# Altium PCB BB.PcbDoc (part 5 of 6)
Units mm, origin at the board's own origin, x right, y up, seen from the top; angles counter-clockwise.
Board outline 170.18 x 88.9 mm, 4 copper layers (Component Side, Ground Plane, Power Plane, Solder Side), stack 1.554 mm thick; 420 components, 358 nets, 1634 pads, 962 vias.
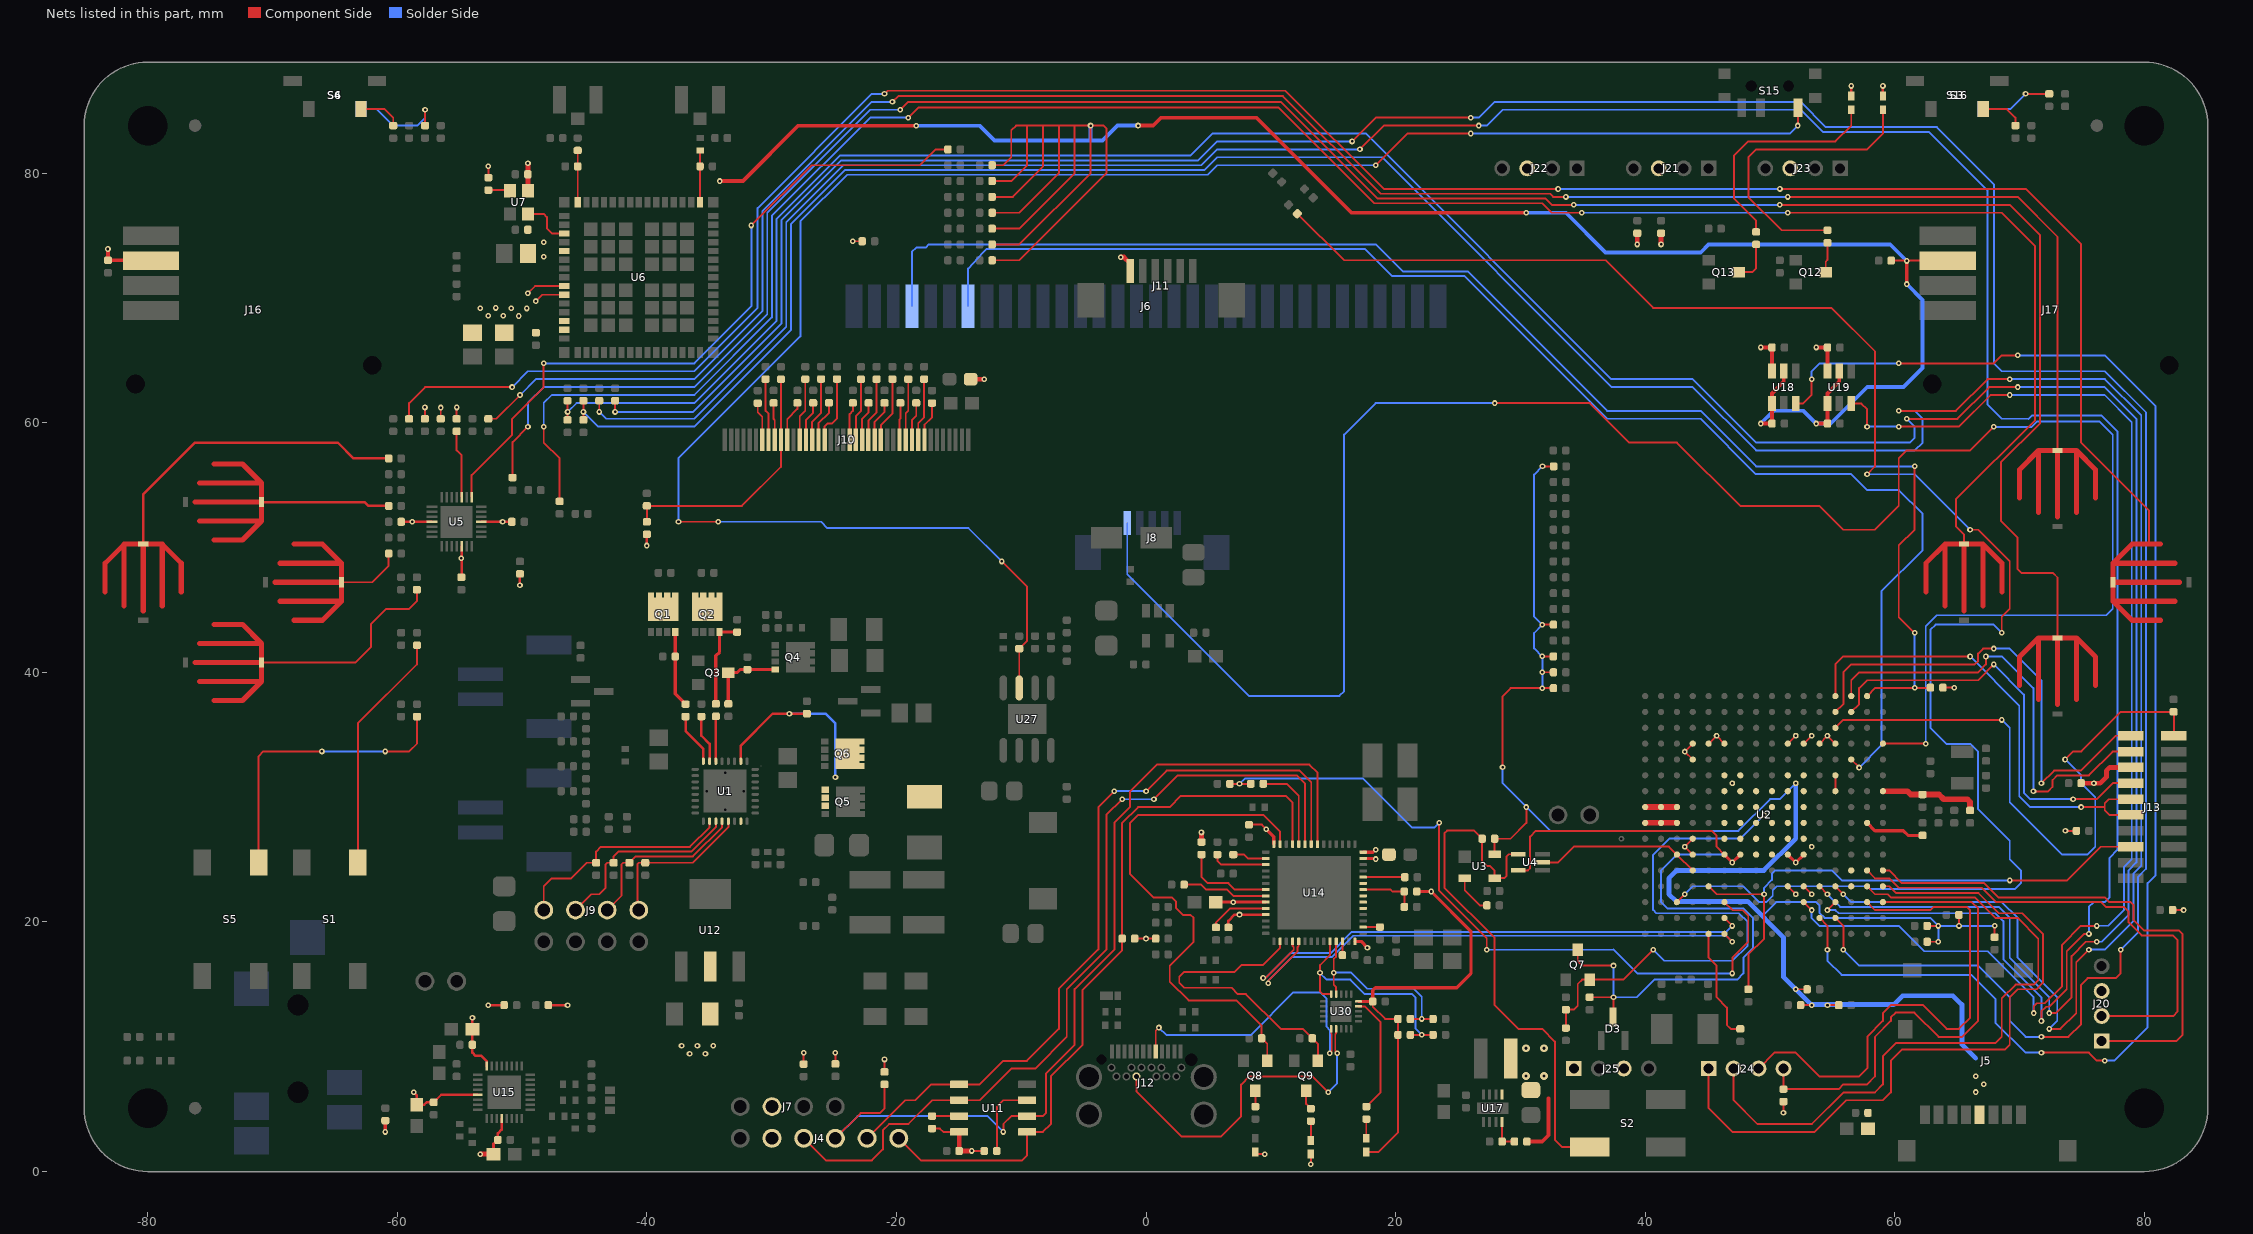
[diagram p7: the nets of this part, all layers, seen from the top]

## Via types
v1: diameter 0.457, hole 0.203, Component Side to Solder Side, tented both sides, 907 vias
v2: diameter 0.5, hole 0.203, Component Side to Solder Side, 32 vias
v3: diameter 0.61, hole 0.254, Component Side to Solder Side, tented both sides, 9 vias
v4: diameter 0.5, hole 0.203, Component Side to Solder Side, tented both sides, 8 vias
v5: diameter 0.457, hole 0.203, Component Side to Solder Side, 6 vias

## Nets (pads, with @x,y where several pads share a name; then routed paths per layer and width w, separated by ;. In a path a pad name is that pad's centre, name@x,y a point inside that pad or via, vN(x,y) a via of type N, cw(c..) or ccw(c..) an arc to the next point about the centre after c; other vN are vias at no path point) (continued)
NetLED3_2: LED3.2 R108.1 | length 24.1
  Component Side w0.152: R108.1@54.61,75.43 50.932,75.43 48.27,78.092 48.27,81.29 48.895,81.915 57.785,81.915 59.055,83.185 LED3.2@59.055,85.09
NetLED4_2: LED4.2 R53.1 | length 1.5
  Component Side w0.152: LED4.2@13.208,2.497 R53.1@13.208,4.037
NetLED7_2: LED7.2 R169.1 | length 18.5
  Component Side w0.152: R169.1@48.895,75.295 48.895,76.2 47.117,77.978 47.117,81.407 48.26,82.55 55.242,82.55 56.515,83.823 LED7.2@56.515,85.09
NetLED14_2: LED14.2 R172.1 | length 1.5
  Component Side w0.152: LED14.2@17.653,2.667 R172.1@17.653,4.207
NetQ1_4: Q1.4 R18.2 R22.1 | length 6.1
  Component Side w0.254: Q1.4@-37.723,43.23 R18.2@-37.723,41.275 -37.723,38.281 R22.1@-36.898,37.456
NetQ1_5: Q1.5 Q1.6 Q1.7 Q1.8 Q1.TAB Q2.5 Q2.6 Q2.7 Q2.8 Q2.TAB
NetQ2_4: Q2.4 R19.2 R23.1 | length 7.3
  Component Side w0.254: R23.1@-34.473,37.48 -34.473,41.33 -34.173,41.63 Q2.4@-34.173,43.23 R19.2@-32.766,43.23
NetQ3_3: Q3.3 Q4.4 R26.2 R30.2 | length 6.4
  Component Side w0.254: R30.2@-33.473,37.48 Q3.3@-33.473,39.98 -32.773,39.98 -32.523,40.23 Q4.4@-29.713,40.23
NetQ8_3: Q8.3 R153.2 | length 1.3
  Component Side w0.152: R153.2@8.763,5.207 Q8.3@8.763,6.477
NetQ9_3: Q9.3 R53.2 | length 1.6
  Component Side w0.152: Q9.3@12.827,6.45 12.827,5.418 R53.2@13.208,5.037
NetQ12_3: Q12.3 R108.2 | length 2.4
  Component Side w0.152: Q12.3@54.47,72.075 54.47,72.922 54.61,73.062 R108.2@54.61,74.43
NetQ13_3: Q13.3 R169.2 | length 3.4
  Component Side w0.152: Q13.3@47.485,72.075 48.58,72.075 48.895,72.39 R169.2@48.895,74.295
NetR22_2: R22.2 U1.32 | length 4.2
  Component Side w0.203: R22.2@-36.898,36.456 -36.898,35.295 -35.473,33.87 U1.32@-35.473,32.88
NetR23_2: R23.2 U1.30 | length 3.6
  Component Side w0.203: U1.30@-34.473,32.88 R23.2@-34.473,36.48
NetR24_2: R24.2 U1.31 | length 3.9
  Component Side w0.203: R24.2@-35.628,36.465 -35.628,34.925 -34.973,34.27 U1.31@-34.973,32.88
NetR42_2: R42.2 U11.3 | length 6.2
  Component Side w0.152: R42.2@-11.954,1.649 -11.954,5.181 -11.42,5.715 U11.3@-9.525,5.715
NetR43_2: R43.2 U11.7 | length 2.2
  Component Side w0.152: R43.2@-17.145,4.445 U11.7@-14.975,4.445
NetR45_2: R45.2 U14.52 | length 4.9
  Component Side w0.152: R45.2@5.604,19.558 5.604,19.955 6.741,21.092 U14.52@9.594,21.092
NetR48_2: R48.2 S2.2 U3.3 U4.4 | length 43.1
  Component Side w0.152: U4.4@29.845,25.43 29.083,25.43 28.904,25.251 28.904,23.688 28.726,23.51 U3.3@27.94,23.51 27.94,24.115 27.559,24.496 27.308,24.496 26.94,24.864 26.94,26.385 26.798,26.528 26.798,26.812 26.295,27.315 24.13,27.315 23.919,27.104 23.919,22.745 27.94,18.724 27.94,13.335 29.848,11.427 31.751,11.427 32.766,10.412 32.766,2.54 33.326,1.98 S2.2@35.56,1.98
NetR51_1: R51.1 U3.2 | length 3.2
  Component Side w0.152: U3.2@25.54,23.51 25.54,22.553 26.757,21.336 R51.1@27.321,21.336
NetR60_2: R60.2 U2.M16 | length 9.1
  Component Side w0.152: U2.M16@45.085,19.05 45.085,17.145 45.72,16.51 45.72,13.97 46.552,13.138 46.552,11.744 46.866,11.43 R60.2@47.625,11.43
NetR64_1: R64.1 U2.B9 | length 4.9
  Component Side w0.254: U2.B9@57.785,27.94 58.41,27.315 60.688,27.315 61.066,26.937 R64.1@62.24,26.937
NetR65_2: R65.2 S6.2 | length 7.8
  Component Side w0.152: R65.2@-57.777,83.82 v1(-57.777,85.09)
  Solder Side w0.152: S6.2@-62.9,85.14 -61.645,85.14 -60.319,83.814 -58.418,83.814 -57.777,84.455 v1(-57.777,85.09)
NetR66_2: R66.2 S16.2 | length 5.8
  Component Side w0.152: v1(70.485,86.36) R66.2@72.381,86.36
  Solder Side w0.152: S16.2@67.1,85.14 69.265,85.14 v1(70.485,86.36)
NetR68_2: R68.2 U5.24 | length 5.4
  Component Side w0.152: R68.2@-55.245,59.325 -55.245,57.785 -54.845,57.385 U5.24@-54.845,54.045
NetR74_2: R74.2 U7.1 | length 1.7
  Component Side w0.152: R74.2@-52.705,78.65 -51.035,78.65 U7.1@-50.98,78.595
NetR109_2: R109.2 S4.1 | length 3.5
  Component Side w0.152: S4.1@-62.9,85.14 -61.01,85.14 -60.325,84.455 R109.2@-60.325,83.82
NetR110_2: R110.2 S3.1 | length 3.5
  Component Side w0.152: S3.1@67.1,85.14 68.99,85.14 69.675,84.455 R110.2@69.675,83.82
NetR111_2: R111.2 S14.1 | length 10.3
  Component Side w0.203: S14.1@-70.887,53.65 -62.61,53.65 -62.3,53.34 R111.2@-60.69,53.34
NetR112_2: R112.2 S10.1 | length 16.4
  Component Side w0.152: S10.1@-70.866,40.8 -63.34,40.8 -62.112,42.028 -62.112,43.84 -60.867,45.085 -59.055,45.085 -58.428,45.712 R112.2@-58.428,46.625
NetR113_2: R113.2 S12.1 | length 25.9
  Component Side w0.203: S12.1@-80.36,50.273 -80.36,54.268 -76.208,58.42 -64.77,58.42 -63.5,57.15 R113.2@-60.69,57.15
NetR114_2: R114.2 S13.1 | length 5.2
  Component Side w0.152: S13.1@-64.389,47.225 -62.014,47.225 -60.69,48.549 R114.2@-60.69,49.53
NetR116_1: R116.1 U14.12 | length 1.1
  Component Side w0.152: R116.1@15.744,17.342 U14.12@15.744,18.442
NetR118_2: R118.2 S11.1 | length 181.7
  Component Side w0.152: R118.2@-59.055,60.317 -59.055,61.587 -57.777,62.865 v1(-50.8,62.865) ; v1(-20.955,86.36) -20.701,86.614 11.178,86.614 19.052,78.74 v1(33.02,78.739) ; v1(50.8,78.74) 70.485,78.74 74.93,74.295 74.93,58.42 80.391,52.959 80.391,50.273
  Solder Side w0.152: v1(-50.8,62.865) -49.53,64.135 -36.195,64.135 -31.12,69.21 -31.12,77.211 -21.971,86.36 v1(-20.955,86.36) ; v1(33.02,78.739) v1(50.8,78.74)
NetR119_2: R119.2 S9.1 | length 183.8
  Component Side w0.152: R119.2@-50.765,55.61 -50.765,58.455 v1(-49.53,59.69) ; v1(-19.685,85.09) -19.05,85.725 10.792,85.725 18.539,77.978 32.004,77.978 32.512,77.47 v1(34.29,77.469) ; v1(50.791,77.47) 69.215,77.47 71.628,75.057 71.628,59.944 68.51,56.826 68.51,52.14 69.85,50.8 69.85,48.273 70.168,47.956 72.695,47.956 73.045,47.605 S9.1@73.045,42.773
  Solder Side w0.152: v1(-49.53,59.69) -49.53,61.595 -48.26,62.865 -36.195,62.865 -30.353,68.707 -30.353,76.835 -22.098,85.09 v1(-19.685,85.09) ; v1(34.29,77.469) v1(50.791,77.47)
NetR120_1: R120.1 U14.16 | length 1.3
  Component Side w0.152: U14.16@17.394,19.592 R120.1@18.744,19.592
NetR121_2: R121.2 S7.1 | length 163
  Component Side w0.152: R121.2@-52.706,60.325 -52.07,60.325 v1(-50.165,62.23) ; v1(-20.32,85.725) -19.855,86.19 10.977,86.19 18.808,78.359 32.378,78.359 32.632,78.105 v1(33.655,78.104) ; v1(51.435,78.105) 53.34,78.105 69.847,78.105 73.045,74.907 S7.1@73.045,57.773
  Solder Side w0.152: v1(-50.165,62.23) -48.895,63.5 -36.195,63.5 -30.739,68.956 -30.739,76.957 -21.971,85.725 v1(-20.32,85.725) ; v1(33.655,78.104) v1(51.435,78.105)
NetR122_2: R122.2 S8.1 | length 173.9
  Component Side w0.152: v1(-48.26,59.69) -48.26,58.42 -46.99,57.15 R122.2@-46.99,53.705 ; v1(-19.05,84.455) -18.245,85.26 10.624,85.26 18.287,77.597 31.741,77.597 32.503,76.835 v1(34.925,76.834) ; v1(51.435,76.834) 68.581,76.834 71.247,74.168 71.247,60.195 64.91,53.858 64.91,51.705 65.545,51.07 S8.1@65.545,50.273
  Solder Side w0.152: v1(-48.26,59.69) -48.26,61.595 -47.625,62.23 -36.195,62.23 -29.977,68.448 -29.977,76.576 -22.098,84.455 v1(-19.05,84.455) ; v1(34.925,76.834) v1(51.435,76.834)
NetR136_2: R136.2 U14.38 | length 7.1
  Component Side w0.152: R136.2@9.397,31.071 11.272,31.071 12.244,30.099 U14.38@12.244,26.242
NetR147_2: R147.2 U14.49 | length 7.4
  Component Side w0.152: R147.2@4.445,25.405 4.445,23.625 4.956,23.114 6.604,23.114 7.126,22.592 U14.49@9.594,22.592
NetR148_2: R148.2 U14.50 | length 6.9
  Component Side w0.152: R148.2@3.048,22.99 4.42,22.99 4.795,22.615 6.468,22.615 6.991,22.092 U14.50@9.594,22.092
NetR149_2: R149.2 U14.45 | length 4.5
  Component Side w0.152: R149.2@5.715,25.405 5.715,24.892 6.015,24.592 U14.45@9.594,24.592
NetR155_1: R155.1 R164.1 U14.22 | length 4.6
  Component Side w0.152: U14.22@17.394,22.592 19.594,22.592 19.744,22.442 R155.1@20.701,22.442 R164.1@20.701,21.209
NetR156_2: R156.2 U14.44 | length 2.7
  Component Side w0.152: R156.2@6.994,25.405 7.858,25.405 8.171,25.092 U14.44@9.594,25.092
NetR165_2: R165.2 R166.1 U17.4 | length 2.6
  Component Side w0.152: U17.4@28.535,3.97 R166.1@28.535,2.403 R165.2@29.522,2.403
NetT1_1: T1.1 U2.F4 | length 0.9
  Component Side w0.152: U2.F4@52.705,34.29 T1.1@53.34,34.925
NetT2_1: T2.1 U2.G4 | length 0.9
  Component Side w0.152: U2.G4@51.435,34.29 T2.1@52.07,34.925
NetT3_1: T3.1 U2.F13 | length 0.9
  Component Side w0.152: U2.F13@52.705,22.86 T3.1@53.34,22.225
NetT4_1: T4.1 U2.G13 | length 0.9
  Component Side w0.152: U2.G13@51.435,22.86 T4.1@52.07,22.225
NetT11_1: T11.1 U2.N10 U2.N11 | length 1.8
  Component Side w0.152: U2.N11@43.815,25.4 T11.1@43.18,26.035 U2.N10@43.815,26.67
NetT13_1: T13.1 U2.N4 U2.N5 | length 1.8
  Component Side w0.152: U2.N5@43.815,33.02 T13.1@43.18,33.655 U2.N4@43.815,34.29
NetT14_1: T14.1 U2.L4 U2.M4 | length 1.8
  Component Side w0.152: U2.M4@45.085,34.29 T14.1@45.72,34.925 U2.L4@46.355,34.29
NetT15_1: T15.1 U2.D4 U2.E4 | length 1.8
  Component Side w0.152: U2.E4@53.975,34.29 T15.1@54.61,34.925 U2.D4@55.245,34.29
NetT17_1: T17.1 U6.43 | length 2.5
  Component Side w0.152: T17.1@-48.895,69.76 -48.39,70.265 U6.43@-46.615,70.265
NetT18_1: T18.1 U6.42 | length 3.2
  Component Side w0.152: T18.1@-49.53,70.395 -48.96,70.965 U6.42@-46.615,70.965
NetU2_D6: U2.D6 U2.D7 | length 1.3
  Component Side w0.152: U2.D7@55.251,30.48 U2.D6@55.251,31.756
NetU2_N12: U2.N12 U2.P11 U4.2 | length 13.3
  Component Side w0.152: U4.2@31.775,24.78 33.026,24.78 34.281,26.035 41.91,26.035 U2.P11@42.545,25.4 U2.N12@43.815,24.13
NetU2_P8: U2.P8 U2.R8 U2.T8 | length 2.5
  Component Side w0.457: U2.T8@40.005,29.21 U2.R8@41.275,29.21 U2.P8@42.545,29.21
NetU2_P9: U2.P9 U2.R9 U2.T9 | length 2.5
  Component Side w0.457: U2.T9@40.005,27.94 U2.R9@41.275,27.94 U2.P9@42.545,27.94
NetU6_36: U6.36 U7.3 | length 4.1
  Component Side w0.152: U7.3@-49.53,76.745 -48.26,76.745 -48.006,76.491 -48.006,75.602 -47.569,75.165 U6.36@-46.615,75.165
PH: C25.1 L1.2 Q5.1 Q5.2 Q5.3 Q6.5 Q6.6 Q6.7 Q6.8 Q6.TAB U1.26 | length 15.9
  Component Side w0.203: U1.26@-32.473,32.88 -32.473,34.13 -29.911,36.692 v1(-28.575,36.692) C25.1@-27.173,36.692
  Solder Side w0.203: v1(-28.575,36.692) -25.685,36.692 -24.887,35.894 v1(-24.887,31.604)
PWR_ON: R135.1 S15.1 U27.7 | length 151.1
  Component Side w0.152: v1(-37.465,52.07) v1(-34.29,52.07) ; v1(-11.557,48.895) -9.525,46.863 -9.525,42.545 R135.1@-10.16,41.91 -10.16,40.64 U27.7@-10.16,38.759 ; v1(18.415,80.645) 20.955,83.185 v1(26.035,83.185) ; v1(52.235,83.82) S15.1@52.235,85.26
  Solder Side w0.152: v1(-37.465,52.07) -37.465,57.15 -27.691,66.924 -27.691,76.137 -23.945,79.883 4.953,79.883 5.715,80.645 v1(18.415,80.645) ; v1(-34.29,52.07) -26.035,52.07 -25.527,51.562 -15.367,51.562 -14.224,51.562 v1(-11.557,48.895) ; v1(26.035,83.185) 43.145,83.185 51.6,83.185 v1(52.235,83.82)
R_DISPLAY_ON: J10.31 R104.2 R105.1 R123.2 | length 20.4
  Component Side w0.152: R104.2@-39.997,52.07 -39.997,53.332 R105.1@-40.005,53.34 -32.385,53.34 -29.25,56.475 J10.31@-29.25,58.65 -29.25,63.46 R123.2@-29.21,63.5
R_LCD_DATA0: J10.8 R93.2 | length 3.2
  Component Side w0.152: J10.8@-17.75,58.65 -17.75,59.855 -17.145,60.46 R93.2@-17.145,61.586
R_LCD_DATA1: J10.9 R94.2 | length 5
  Component Side w0.152: J10.9@-18.25,58.65 -18.25,59.982 -17.78,60.452 R94.2@-17.78,63.5
R_LCD_DATA2: J10.10 R128.2 | length 3.1
  Component Side w0.152: J10.10@-18.75,58.65 -18.75,60.244 -18.415,60.579 R128.2@-18.415,61.595
R_LCD_DATA3: J10.11 R141.2 | length 4.9
  Component Side w0.152: J10.11@-19.25,58.65 -19.25,60.755 -19.05,60.955 R141.2@-19.05,63.5
R_LCD_DATA4: J10.12 R142.2 | length 3
  Component Side w0.152: J10.12@-19.75,58.65 -19.75,60.268 -19.685,60.333 R142.2@-19.685,61.595
R_LCD_DATA5: J10.15 R143.2 | length 5.2
  Component Side w0.152: J10.15@-21.25,58.65 -21.25,59.817 -20.326,60.741 R143.2@-20.326,63.5
R_LCD_DATA6: J10.16 R144.2 | length 3.3
  Component Side w0.152: J10.16@-21.75,58.65 -21.75,60.079 -20.955,60.874 R144.2@-20.955,61.595
R_LCD_DATA7: J10.17 R145.2 | length 5.1
  Component Side w0.152: J10.17@-22.25,58.65 -22.25,60.173 -21.59,60.833 R145.2@-21.59,63.5
R_LCD_DATA8: J10.18 R146.2 | length 3.2
  Component Side w0.152: J10.18@-22.75,58.65 -22.75,60.308 -22.225,60.833 R146.2@-22.225,61.595
R_LCD_DATA9: J10.19 R151.2 | length 5
  Component Side w0.152: J10.19@-23.25,58.65 -23.25,60.54 -22.838,60.952 R151.2@-22.838,63.5
R_LCD_DATA10: J10.20 R152.2 | length 3.1
  Component Side w0.152: J10.20@-23.75,58.65 -23.75,60.705 -23.495,60.96 R152.2@-23.495,61.595
R_LCD_DATA11: J10.24 R163.2 | length 5.5
  Component Side w0.152: J10.24@-25.75,58.65 -25.75,59.724 -25.522,59.952 -25.146,59.952 -24.765,60.333 R163.2@-24.765,63.509
R_LCD_DATA12: J10.25 R173.2 | length 3.3
  Component Side w0.152: J10.25@-26.25,58.65 -26.25,59.958 -25.4,60.808 R173.2@-25.4,61.604
R_LCD_DATA13: J10.26 R174.2 | length 5.2
  Component Side w0.152: J10.26@-26.75,58.65 -26.75,60.081 -26.035,60.796 R174.2@-26.035,63.509
R_LCD_DATA14: J10.27 R175.2 | length 3.2
  Component Side w0.152: J10.27@-27.25,58.65 -27.25,60.213 -26.67,60.793 R175.2@-26.67,61.604
R_LCD_DATA15: J10.28 R176.2 | length 5
  Component Side w0.152: J10.28@-27.75,58.65 -27.75,60.515 -27.305,60.96 R176.2@-27.305,63.509
R_LCD_ENABLE: J10.34 R177.2 | length 3.1
  Component Side w0.152: R177.2@-31.115,61.586 -31.115,60.833 -30.75,60.468 J10.34@-30.75,58.65
R_LCD_HSYNC: J10.32 R179.2 | length 3
  Component Side w0.152: R179.2@-29.845,61.595 -29.845,60.317 -29.75,60.222 J10.32@-29.75,58.65
R_LCD_PCLK: J10.30 R180.2 | length 3.3
  Component Side w0.152: J10.30@-28.75,58.65 -28.75,60.302 -27.94,61.112 R180.2@-27.94,61.595
R_LCD_VSYNC: J10.33 R178.2 | length 4.9
  Component Side w0.152: R178.2@-30.48,63.5 -30.48,60.959 -30.25,60.729 J10.33@-30.25,58.65
RF_ANT1: C43.2 L2.2 U6.32 | length 4.1
  Component Side w0.152: U6.32@-45.54,77.69 L2.2@-45.54,80.555 C43.2@-45.54,81.825
RF_ANT2: C44.2 L5.2 U6.18 | length 4.1
  Component Side w0.152: U6.18@-35.74,77.69 L5.2@-35.74,80.555 C44.2@-35.74,81.825
S_SBU_N: R158.2 R162.1 U14.11 U30.14 | length 15.8
  Component Side w0.152: U30.14@15.229,14.227 15.229,14.777 15.044,14.962 v1(15.044,15.942) 15.044,17.042 15.229,17.227 15.229,18.426 U14.11@15.244,18.442 ; R158.2@21.193,12.227 v1(22.098,12.227) R162.1@23.003,12.227
  Solder Side w0.152: v1(15.044,15.942) 16.443,15.942 17.738,14.647 21.467,14.647 22.098,14.016 v1(22.098,12.227)
S_SBU_P: R157.2 R161.1 U14.10 U30.15 | length 18.8
  Component Side w0.152: U14.10@14.744,18.442 14.744,17.342 13.944,16.542 v1(13.944,15.942) 13.944,14.442 14.159,14.227 U30.15@14.829,14.227 ; R157.2@21.193,10.957 v1(22.098,10.957) R161.1@23.003,10.957
  Solder Side w0.152: v1(13.944,15.942) 13.944,15.904 14.473,15.375 16.383,15.375 17.534,14.224 21.336,14.224 21.59,13.97 21.59,11.465 v1(22.098,10.957)
SBU_N: J12.B8 U30.2 | length 27.5
  Component Side w0.127: U30.2@15.229,11.427 15.229,11.064 15.169,11.003 15.169,9.639 v1(15.321,9.487)
  Component Side w0.152: J12.B8@-0.772,7.622 -0.772,6.437 2.871,2.794 5.988,2.794 7.62,4.426 7.62,6.969 8.271,7.62 13.339,7.62 v1(14.605,6.354)
  Solder Side w0.152: v1(14.605,6.354) 15.321,7.07 v1@15.321,9.489
SBU_P: J12.A8 U30.1 | length 23.8
  Component Side w0.127: v1(14.737,9.487) 14.889,9.639 14.889,11.003 14.829,11.064 U30.1@14.829,11.427
  Component Side w0.152: J12.A8@0.778,9.632 0.778,11.275 v1(1.04,11.537)
  Solder Side w0.152: v1(1.04,11.537) 1.643,10.934 8.402,10.934 11.819,14.351 13.965,14.351 14.478,13.838 14.478,11.6 14.737,11.341 v1@14.737,9.489
SELECT: R117.2 S5.1 | length 23.8
  Component Side w0.152: S5.1@-71.12,24.765 -71.12,33.274 -70.73,33.664 v1(-66.04,33.664) ; v1(-60.96,33.664) -59.046,33.664 -58.42,34.29 R117.2@-58.42,36.456
  Solder Side w0.152: v1(-66.04,33.664) v1(-60.96,33.664)
SPI0_CS0: J24.4 R140.2 U2.A14 | length 40
  Component Side w0.152: J24.4@51.085,8.255 R140.2@51.085,6.604 55.499,6.604 55.88,6.985 57.783,6.985 58.42,7.622 58.42,10.8 59.69,12.07 59.69,12.361 60.071,12.742 61.57,12.742 63.517,10.795 65.405,10.795 66.675,12.065 66.675,21.082 66.167,21.59 U2.A14@59.055,21.59
SPI0_MISO: J24.2 U2.B13 | length 54.4
  Component Side w0.152: J24.2@47.085,8.255 47.085,5.715 48.99,3.81 53.356,3.81 55.896,6.35 58.42,6.35 59.055,6.985 59.055,9.255 60.087,10.287 68.067,10.287 68.58,10.8 68.58,13.885 69.681,14.986 71.139,14.986 71.501,15.348 71.501,18.664 69.842,20.323 68.069,20.323 66.421,21.971 59.69,21.971 59.436,22.225 58.42,22.225 U2.B13@57.785,22.86
SPI0_MOSI: J24.3 U2.B14 | length 41
  Component Side w0.152: J24.3@49.085,8.255 50.355,9.525 52.057,9.525 53.96,7.622 57.152,7.622 57.81,8.28 57.81,10.82 59.055,12.065 59.055,12.7 59.705,13.35 62.24,13.35 64.16,11.43 65.151,11.43 66.04,12.319 66.04,20.955 65.786,21.209 63.119,21.209 62.865,20.955 58.42,20.955 U2.B14@57.785,21.59
SPI0_SCLK: J24.1 U2.A13 | length 57.8
  Component Side w0.152: J24.1@45.085,8.255 45.085,5.08 46.99,3.175 53.594,3.175 56.134,5.715 59.055,5.715 59.69,6.35 59.69,8.89 60.579,9.779 68.834,9.779 69.215,10.16 69.215,13.97 69.85,14.605 71.374,14.605 71.882,15.113 71.882,19.038 70.219,20.701 68.326,20.701 66.714,22.313 60.11,22.313 59.563,22.86 U2.A13@59.055,22.86
SPI1_CS0: J6.29 R171.2 U2.B1 | length 116.5
  Component Side w0.152: U2.B1@57.785,38.1 58.444,38.759 v1(61.595,38.759) R171.2@62.865,38.759 ; v1@61.584,43.18 60.325,44.439 60.325,50.176 61.595,51.446 v1(61.595,56.515)
  Solder Side w0.152: J6.29@-18.753,69.342 -18.753,73.702 -18.414,74.041 -17.653,74.041 -17.399,74.295 18.415,74.295 20.574,72.136 25.781,72.136 36.957,60.96 44.45,60.96 45.085,60.325 48.895,56.515 v1(61.595,56.515) ; v1(61.595,38.759) v1(61.595,43.18)
SPI1_MISO: U2.F14 U19.3 | length 101.5
  Component Side w0.152: U2.F14@52.705,21.59 v1(53.34,20.955) ; U19.3@56.51,61.535 57.337,61.535 57.785,61.087 v1(57.785,59.69) ; v1(60.325,59.69) 65.151,59.69 67.691,62.23 v1(69.215,62.23) ; v1(71.139,12.7) 71.139,13.238 71.388,13.487 72.034,13.487 73.406,14.859 73.406,18.164 74.927,19.685 v1(76.2,19.685)
  Solder Side w0.152: v1(53.34,20.955) 53.34,20.316 53.968,19.688 60.322,19.688 62.357,17.653 67.439,17.653 71.129,13.962 v1@71.129,12.691 ; v1(57.785,59.69) v1(60.325,59.69) ; v1(69.215,62.23) 76.826,62.23 78.994,60.062 78.994,25.019 78.359,24.384 78.359,20.955 77.099,19.696 v1@76.2,19.696
SPI1_MOSI: U2.E15 U18.3 | length 118.2
  Component Side w0.152: U18.3@52.062,61.535 52.636,61.535 53.34,62.239 v1(53.34,63.5) ; U2.E15@53.975,20.32 54.61,19.685 v1(54.61,17.78) ; v1(60.325,64.77) 67.946,64.77 68.581,65.405 v1(69.85,65.405) ; v1(71.755,9.528) 75.562,9.528 76.2,8.89 v1(76.835,8.89)
  Solder Side w0.152: v1(53.34,63.5) 53.34,64.135 53.975,64.77 v1(60.325,64.77) ; v1(54.61,17.78) 54.61,16.891 55.741,15.76 66.148,15.76 68.072,13.835 68.072,11.938 70.482,9.528 v1(71.755,9.528) ; v1(69.85,65.405) 76.826,65.405 80.899,61.332 80.899,23.749 80.264,23.114 80.264,11.557 77.597,8.89 v1(76.835,8.89)
SPI1_SCLK: J6.26 U2.C5 | length 112.3
  Component Side w0.152: U2.C5@56.506,33.02 v1@57.141,32.385
  Solder Side w0.152: J6.26@-14.252,69.342 -14.252,72.359 -13.054,73.66 -12.8,73.914 2.921,73.914 17.566,73.914 18.454,73.025 19.724,71.755 25.527,71.755 36.957,60.325 44.444,60.325 48.881,55.889 56.507,55.889 57.785,54.61 60.341,54.61 62.23,52.721 62.23,49.793 58.928,46.491 58.928,34.163 v1(57.141,32.377)
SPI_CLK: J4.3 U11.6 U14.37 | length 68.3
  Component Side w0.152: J4.3@-27.432,2.667 -25.654,0.889 -21.971,0.889 -21.082,1.778 -21.082,3.322 -20.594,3.81 -19.045,3.81 -17.14,5.715 U11.6@-14.975,5.715 -13.335,5.715 -10.795,8.255 -8.89,8.255 -6.35,10.795 -6.35,14.605 -3.169,17.786 -3.169,28.575 v1(-1.907,29.837) ; v1(0.635,29.837) 2.548,31.75 12.065,31.75 12.744,31.071 U14.37@12.744,26.242
  Solder Side w0.152: v1(-1.907,29.837) v1(0.635,29.837)
SPI_CS_N: J4.6 R139.2 U11.1 U14.39 | length 59.8
  Component Side w0.152: J4.6@-19.812,2.667 -18.034,0.889 -9.926,0.889 -9.525,1.29 U11.1@-9.525,3.175 -8.255,3.175 -7.622,3.808 -7.622,7.618 -5.08,10.16 -5.08,14.559 -1.91,17.729 R139.2@-1.91,18.669 -1.91,27.935 -0.635,29.21 1.913,29.21 2.802,30.099 11.201,30.099 11.744,29.556 U14.39@11.744,26.242
SPI_MISO: J4.4 R138.2 U11.2 U14.35 | length 76.5
  Component Side w0.152: J4.4@-24.892,2.667 -22.878,4.681 -21.333,4.681 -20.955,5.059 R138.2@-20.955,6.985 ; v1(-11.43,3.175) -11.43,3.81 -10.795,4.445 U11.2@-9.525,4.445 -8.255,4.445 -8.001,4.699 -8.001,7.866 -5.715,10.152 -5.715,14.615 -2.54,17.79 -2.54,27.965 -1.272,29.234 -1.272,30.462 0.877,32.611 13.1,32.611 13.744,31.967 13.744,28.442 U14.35@13.744,26.242
  Solder Side w0.152: J4.4@-24.892,2.667 -23.114,4.445 -12.7,4.445 v1(-11.43,3.175)
SPI_MOSI: J4.5 U11.5 U14.36 | length 61.7
  Component Side w0.152: J4.5@-22.352,2.667 -19.308,5.711 -18.483,5.711 -17.209,6.985 U11.5@-14.975,6.985 -13.335,6.985 -11.45,8.87 -9.545,8.87 -6.985,11.43 -6.985,14.635 -3.812,17.808 -3.812,29.21 v1(-2.542,30.48) ; v1(0.003,30.48) 1.654,32.131 12.319,32.131 13.244,31.206 U14.36@13.244,26.242
  Solder Side w0.152: v1(-2.542,30.48) v1(0.003,30.48)
SS_AM: Q8.1 R160.1 U14.41 | length 42.5
  Component Side w0.152: Q8.1@9.713,8.877 9.713,10.229 R160.1@9.263,10.679 9.263,11.695 7.242,13.716 3.41,13.716 1.905,15.221 1.905,16.51 3.81,18.415 3.81,20.32 3.556,20.574 2.955,20.574 2.413,21.116 2.413,21.632 2.074,21.971 0.579,21.971 -1.272,23.822 -1.272,27.938 -0.635,28.575 9.398,28.575 10.744,27.229 U14.41@10.744,26.242
SS_EN: U14.19
SS_POL: Q9.1 R159.1 U14.2 | length 24.5
  Component Side w0.152: U14.2@10.744,18.442 10.744,17.942 9.346,16.544 7.646,16.544 7.107,16.005 3.048,16.005 2.667,15.624 2.667,15.113 3.048,14.732 6.858,14.732 7.363,14.227 8.001,14.227 10.801,11.427 12.579,11.427 R159.1@13.327,10.679 13.777,10.229 Q9.1@13.777,8.877
START: R115.2 S1.1 | length 19.4
  Component Side w0.152: S1.1@-63.155,24.765 -63.155,35.913 -58.42,40.648 R115.2@-58.42,42.18
SYS_ADC_1P8V: C5.2 R62.2 U2.A7 | length 8
  Component Side w0.457: U2.A7@59.055,30.48 61.017,30.48 61.287,30.21 R62.2@62.23,30.21 63.549,30.21 63.929,29.83 65.821,29.83 66.04,29.611 C5.2@66.04,28.937
SYS_RESET_N: C86.2 J13.15 U2.M13 | length 45.1
  Component Side w0.152: U2.M13@45.085,22.86 45.72,22.225 49.53,22.225 49.53,18.669 48.27,17.409 C86.2@48.27,14.605 ; v1(69.215,23.329) 73.809,23.329 76.506,26.026 J13.15@78.92,26.026
  Solder Side w0.152: v1(49.53,22.227) 49.53,22.738 50.165,23.373 50.165,23.87 50.425,24.13 54.953,24.13 55.754,23.329 v1(69.215,23.329)
SYS_RTC_1P8V: D3.3 Q7.3 R17.1 T9.1 U2.K11 U2.L11 U4.5 | length 65.4
  Component Side w0.152: U4.5@29.845,24.13 30.607,24.13 30.789,24.312 30.789,26.848 31.246,27.305 45.339,27.305 45.72,26.924 45.72,26.035 U2.L11@46.355,25.4 ; Q7.3@34.601,17.775 34.601,16.866 34.957,16.51 v1(37.465,16.51) ; R17.1@35.551,13.97 v1(37.465,13.97) 37.465,12.382 D3.3@37.435,12.352
  Component Side w0.254: U2.L11@46.355,25.4 T9.1@46.99,24.765 U2.K11@47.625,25.4
  Solder Side w0.152: v1@37.435,13.97 v1(37.465,13.97) ; v1(37.465,16.51) v1(37.465,13.97) ; T9.1@46.99,24.765 46.341,25.414 42.559,25.414 41.275,24.13 41.275,21.59 41.783,21.082 47.879,21.082 48.641,20.32 48.641,17.907 47.879,17.145 47.879,15.875 47.379,15.375 40.729,15.375 39.324,13.97 v1(37.465,13.97)
SYS_VDD1_3P3V: C45.2 C46.2 J5.4 R1.1 R2.1 R3.1 R4.1 R5.1 R48.1 R97.1 R98.1 R99.1 R100.1 R101.1 R102.1 R103.1 T7.1 U2.F6 U2.F7 U2.G6 U2.G7 U3.4 | length 145.4
  Component Side w0.152: U3.4@27.94,25.41 R48.1@27.94,26.67 29.21,26.67 30.481,27.941 v1(30.481,29.211) ; v1(28.575,32.394) 28.575,38.091 29.219,38.735 v1(31.761,38.735) R5.1@32.655,38.735 ; v1(31.75,41.284) R3.1@32.644,41.284 ; v1(31.761,40.009) R4.1@32.655,40.009 ; v1(31.761,43.823) R2.1@32.655,43.823 ; v1(31.773,56.515) R1.1@32.667,56.515 ; v1(52.073,14.605) R100.1@52.975,14.605 ; R99.1@52.438,13.337 v1(53.34,13.337) ; v1(54.613,13.337) R101.1@55.515,13.337 ; R97.1@62.595,18.415 v1(63.497,18.415) ; R102.1@62.595,19.685 v1(63.497,19.685) ; v1(65.151,19.684) R98.1@65.151,20.574 ; R103.1@68.01,18.78 v1(68.01,19.688)
  Solder Side w0.152: v1(28.575,32.394) 28.575,31.117 32.387,27.305 47.471,27.305 50.011,29.845 50.8,29.845 T7.1@52.07,31.115 ; v1(31.761,38.735) v1(31.761,40.009) 31.761,41.261 31.095,41.927 31.095,43.157 v1(31.761,43.823) 31.107,44.477 31.107,55.849 v1(31.773,56.515) ; 49.378,20.472 50.501,21.595 53.695,21.595 53.967,21.324 53.967,20.742 54.383,20.325 62.857,20.325 v1(63.497,19.685) ; v1(63.497,18.415) v1(63.497,19.685) ; v1(68.01,19.688) 63.5,19.688 v1(63.497,19.685)
  Solder Side w0.381: T7.1@52.07,31.115 52.07,26.678 49.521,24.13 42.545,24.13 41.91,23.495 41.91,22.225 42.488,21.647 48.203,21.647 51.085,18.765 51.085,15.593 v1(52.073,14.605) 53.299,13.379 59.906,13.379 60.624,14.097 64.666,14.097 65.384,13.379 65.384,10.189 66.494,9.079
  other v1: 66.494,6.367 67.129,6.985 66.494,7.625
SYS_VDD2_3P3V: T8.1 U2.F11 U2.G11 | length 1.8
  Component Side w0.254: U2.G11@51.435,25.4 T8.1@52.07,24.765 U2.F11@52.705,25.4
SYS_VDD3_3P3V: Q7.2 R46.2 R47.2 T10.1 U2.F8 U2.F9 U2.G8 U2.H7 U2.H8 U2.H9 U2.J7 U2.J8 U2.J9 U2.K8 U2.K9 U2.L8 U2.L9 | length 44.4
  Component Side w0.152: R47.2@33.646,11.502 R46.2@33.646,12.97 34.293,12.97 34.601,13.278 34.601,15.029 34.947,15.375 Q7.2@35.551,15.375 38.235,15.375 v1(40.64,17.78)
  Solder Side w0.152: v1(40.64,17.78) 41.529,16.891 46.99,16.891 48.203,18.104 48.203,20.001 47.503,20.701 40.894,20.701 40.635,20.96 40.635,25.38 41.933,26.678 47.633,26.678 T10.1@49.53,28.575
SYS_VDD_1P8V: T16.1 U2.F10 U2.G9 U2.G10 U2.H10 U2.H11 U2.J10 U2.J11 U2.K10 U2.L10
SYS_VOUT: T6.1 U2.K6 U2.K7 U2.L6 U2.L7
SYSPRES: U1.15
TCK: J13.9 J13.11 U2.D1 | length 38.3
  Component Side w0.152: U2.D1@55.245,38.1 55.245,40.649 55.871,41.275 v1(66.037,41.275) ; v1(74.93,29.21) 76.835,29.21 ; J13.11@78.74,28.566 77.225,28.566 76.835,28.956 76.835,29.21 ; J13.9@78.74,29.836 77.168,29.836 76.835,29.503 76.835,29.21
  Solder Side w0.152: v1(66.037,41.275) 69.977,37.335 69.977,30.092 70.859,29.21 v1(74.93,29.21)
TDI: J13.3 U2.C1 | length 35.8
  Component Side w0.152: U2.C1@56.515,38.1 56.515,39.37 57.15,40.005 66.675,40.005 67.31,40.64 v1(67.31,41.275) ; v1(71.12,30.471) 72.295,30.471 72.644,30.82 72.644,31.369 73.025,31.75 75.565,31.75 77.461,33.646 J13.3@78.92,33.646
  Solder Side w0.152: v1(67.31,41.275) 68.58,41.275 71.12,38.735 v1(71.12,30.471)
TDO: J13.7 U2.C2 | length 34.2
  Component Side w0.152: U2.C2@56.515,36.83 57.15,37.465 57.15,38.735 57.785,39.37 66.675,39.37 v1(67.945,40.64) ; v1(74.295,29.845) 76.183,29.845 76.191,29.836 77.479,31.124 78.723,31.124 J13.7@78.74,31.106
  Solder Side w0.152: v1(67.945,40.64) 70.358,38.227 70.358,30.353 70.875,29.836 70.883,29.845 v1(74.295,29.845)
TMS: J13.1 U2.D2 | length 38.5
  Component Side w0.152: U2.D2@55.245,36.83 55.88,37.465 55.88,40.008 56.512,40.64 66.405,40.64 66.675,40.91 66.675,41.505 67.08,41.91 v1(67.945,41.91) ; v1(71.755,31.115) 72.771,32.131 74.922,32.131 77.716,34.925 J13.1@78.92,34.925
  Solder Side w0.152: v1(67.945,41.91) 69.215,41.91 71.755,39.37 v1(71.755,31.115)
TOUCH_INT_N: R127.1 U5.22 | length 56.4
  Component Side w0.152: U5.22@-54.045,54.045 -54.045,55.81 -50.8,59.055 -50.8,60.325 -48.267,62.858 v1(-48.267,64.77) ; v1(-31.623,75.819) -26.797,80.645 -18.115,80.645 -16.848,81.912 R127.1@-15.875,81.912
  Solder Side w0.152: v1(-48.267,64.77) -36.195,64.77 -31.623,69.342 v1(-31.623,75.819)
TOUCH_PAD_INT: J8.5 U2.A4 | length 161.7
  Component Side w0.152: v1(27.94,61.586) 35.569,61.586 38.739,58.416 42.551,58.416 47.627,53.34 53.966,53.34 55.871,51.435 58.41,51.435 60.325,53.35 60.325,57.15 60.96,57.785 66.05,57.785 v1(67.945,59.68) ; U2.A4@59.055,34.29 v1@62.484,34.29
  Solder Side w0.152: J8.5@-1.5,51.975 -1.5,47.857 8.247,38.11 15.504,38.11 15.875,38.481 15.875,59.055 18.406,61.586 v1(27.94,61.586) ; v1(62.484,34.281) 62.484,43.684 63.377,44.577 76.962,44.577 77.47,45.085 77.47,59.055 76.403,60.122 71.425,60.122 70.983,59.68 v1(67.945,59.68)
TOUCH_RESET_N: R126.1 U2.P14 | length 141.5
  Component Side w0.152: R126.1@12.132,76.763 15.87,73.025 36.83,73.025 40.64,69.215 54.931,69.215 58.42,65.726 58.42,56.515 v1(57.785,55.88) ; U2.P14@42.545,21.59 v1(43.18,22.225) ; v1(66.04,51.435) 66.675,51.435 69.215,48.895 69.215,45.112 68.58,44.477 v1(68.58,43.18)
  Solder Side w0.152: v1(43.18,22.225) 43.815,22.86 47.879,22.86 49.144,21.595 49.711,21.595 50.23,22.114 50.23,22.544 50.546,22.86 57.786,22.86 57.996,22.65 69.64,22.65 70.104,23.114 70.104,24.13 69.215,25.019 69.215,26.495 66.675,29.035 66.675,33.646 66.046,34.276 64.141,34.276 62.865,35.551 62.865,43.43 63.269,43.834 67.926,43.834 v1(68.58,43.18) ; v1(57.785,55.88) 61.595,55.88 v1(66.04,51.435)
TRSTN: J13.2 R183.1 U2.D3 | length 49.5
  Component Side w0.152: U2.D3@55.236,35.56 55.866,36.189 v1(68.58,36.189) ; v1(73.651,33.02) 74.295,33.664 74.956,33.664 78.131,36.839 R183.1@82.349,36.839 ; J13.2@82.37,34.925 R183.1@82.37,36.818
  Solder Side w0.152: v1(68.58,36.189) 69.215,35.554 69.215,29.591 73.406,25.4 75.438,25.4 76.073,26.035 76.073,29.981 74.931,31.124 74.931,31.741 v1(73.651,33.02)
TS1: J9.1 R38.1 U1.10 | length 18.2
  Component Side w0.152: J9.1@-48.26,20.955 -48.26,22.86 -47.625,23.495 -46.077,23.495 -44.826,24.746 R38.1@-44.064,24.746 -44.064,25.635 -43.683,26.016 -36.546,26.016 -34.973,27.589 U1.10@-34.973,28.08
TS2: J9.2 R39.1 U1.11 | length 15.9
  Component Side w0.152: J9.2@-45.72,20.955 -44.45,22.225 -43.815,22.225 -43.302,22.738 -43.302,24.619 -43.175,24.746 R39.1@-42.667,24.746 -42.667,25.254 -42.286,25.635 -36.427,25.635 -34.473,27.589 U1.11@-34.473,28.08
TS3: J9.3 R40.1 U1.12 | length 13.9
  Component Side w0.152: J9.3@-43.18,20.955 -42.032,22.103 -42.032,24.619 -41.905,24.746 R40.1@-41.397,24.746 -40.889,25.254 -36.308,25.254 -33.973,27.589 U1.12@-33.973,28.08
TS4: J9.4 R41.1 U1.13 | length 12.1
  Component Side w0.152: J9.4@-40.762,21.571 -40.762,24.619 -40.635,24.746 R41.1@-40.127,24.746 -36.316,24.746 -34.807,26.255 -33.473,27.589 U1.13@-33.473,28.08
UART0_CTSN: U2.C12
UART0_RTSN: U2.C13
UART0_RX: J20.1 U2.A12 | length 41.6
  Component Side w0.152: U2.A12@59.055,24.13 59.563,24.13 60.579,23.114 67.173,23.114 68.316,21.971 76.829,21.971 77.208,21.592 78.902,21.592 79.122,21.372 79.122,20.191 80.009,19.304 82.804,19.304 83.058,19.05 83.058,10.922 82.598,10.462 J20.1@76.581,10.462
UART0_TX: J20.2 U2.B12 | length 39.7
  Component Side w0.152: U2.B12@57.785,24.13 58.42,23.495 59.572,23.495 60.325,22.742 66.97,22.742 68.12,21.592 76.542,21.592 76.925,21.209 78.369,21.209 78.74,20.838 78.74,19.971 79.788,18.923 82.296,18.923 82.677,18.542 82.677,12.827 82.312,12.462 J20.2@76.581,12.462
UART3_CTSN: R72.1 R77.2 U2.E13 | length 233
  Component Side w0.152: R77.2@-46.355,60.235 v1(-46.355,60.87) R72.1@-46.355,61.775 ; U2.E13@53.975,22.86 v1(54.61,22.225) ; v1(60.96,60.317) 65.016,60.317 67.564,62.865 v1(69.85,62.865) ; v1(72.381,12.7) 72.914,12.7 74.168,13.954 74.168,17.272 75.311,18.415 v1(76.2,18.415)
  Solder Side w0.152: v1(-46.355,60.87) -45.638,61.586 -36.204,61.586 -29.596,68.194 -29.596,76.352 -24.541,81.407 3.556,81.407 5.341,83.192 17.603,83.192 37.294,63.5 43.815,63.5 48.899,58.416 61.214,58.416 61.597,58.799 61.597,59.68 v1(60.96,60.317) ; v1(54.61,22.225) 55.626,21.209 68.326,21.209 69.215,20.32 69.215,17.145 72.381,13.979 v1(72.381,12.7) ; v1(69.85,62.865) 76.835,62.865 79.375,60.325 79.375,24.774 78.74,24.139 78.74,20.577 76.578,18.415 v1(76.2,18.415)
UART3_RTSN: R73.1 R78.2 U2.D13 | length 238.6
  Component Side w0.152: R78.2@-45.085,60.235 v1(-45.085,60.87) R73.1@-45.085,61.775 ; U2.D13@55.245,22.86 v1(55.88,22.225) ; v1(60.325,60.96) 64.897,60.96 67.437,63.5 v1(69.215,63.5) ; v1(72.381,11.43) 73.279,11.43 74.549,12.7 74.549,16.764 v1(75.565,17.78)
  Solder Side w0.152: v1(-45.085,60.87) -43.905,59.69 -36.195,59.69 -28.453,67.432 -28.453,75.924 -24.113,80.264 4.699,80.264 5.715,81.28 18.923,81.28 37.338,62.865 43.811,62.865 48.891,57.785 61.597,57.785 62.23,58.418 62.23,60.325 61.595,60.96 v1(60.325,60.96) ; v1(55.88,22.225) 56.513,21.592 68.58,21.592 ; 68.58,21.59 69.85,20.32 69.85,17.145 73.025,13.97 73.025,12.074 v1(72.381,11.43) ; v1(69.215,63.5) 76.844,63.5 79.756,60.588 79.756,24.51 79.121,23.875 79.121,20.066 76.835,17.78 v1(75.565,17.78)
UART3_RXD: R71.1 U2.D14 | length 234.2
  Component Side w0.152: v1(-43.815,60.87) R71.1@-43.815,61.775 ; v1(17.145,81.912) 19.053,83.82 v1(26.67,83.82) ; v1(54.61,20.955) U2.D14@55.245,21.59 ; v1(71.755,12.065) 71.755,12.827 72.136,13.208 72.394,13.208 73.787,14.601 73.787,17.653 75.172,19.038 v1(75.562,19.038)
  Solder Side w0.152: v1(-43.815,60.87) -43.27,60.325 -36.195,60.325 -28.829,67.691 -28.829,76.085 -24.269,80.645 4.445,80.645 5.712,81.912 v1(17.145,81.912) ; v1(26.67,83.82) 27.305,83.82 28.575,85.09 52.451,85.09 54.229,83.312 62.735,83.312 67.437,78.61 67.437,61.468 68.58,60.325 70.723,60.325 70.731,60.317 70.993,60.579 76.582,60.579 77.851,59.31 77.851,25.781 77.216,25.146 77.216,21.971 76.84,21.595 75.951,21.595 75.562,21.206 v1(75.562,19.038) ; v1(54.61,20.955) 55.245,20.955 55.499,20.701 68.072,20.701 68.707,20.066 68.707,17.018 71.755,13.97 v1(71.755,12.065)
UART3_TXD: R70.1 U2.D15 | length 236.2
  Component Side w0.152: v1(-42.545,60.87) R70.1@-42.545,61.775 ; v1(16.51,82.55) 18.415,84.455 v1(26.035,84.455) ; U2.D15@55.245,20.32 55.88,19.685 v1(55.88,17.78) ; v1(71.755,10.795) 73.914,10.795 74.93,11.811 74.93,14.966 75.458,15.494 77.724,15.494 78.109,15.879 v1(78.109,17.78)
  Solder Side w0.152: v1(-42.545,60.87) -36.29,60.87 -29.215,67.945 -29.215,76.229 -24.418,81.026 4.191,81.026 5.715,82.55 v1(16.51,82.55) ; v1(26.035,84.455) 26.67,84.455 27.94,85.725 52.451,85.725 54.483,83.693 63.373,83.693 67.945,79.121 67.945,64.77 68.58,64.135 76.844,64.135 80.137,60.842 80.137,24.257 79.502,23.622 79.502,19.173 v1(78.109,17.78) ; v1(55.88,17.78) 57.15,16.51 66.675,16.51 69.215,13.97 69.215,12.065 70.485,10.795 v1(71.755,10.795)
USB_2P0_N: U2.L16 U14.5 | length 44.3
  Component Side w0.152: v5(9.793,15.098) 9.793,15.295 12.146,17.649 12.146,17.981 12.244,18.079 U14.5@12.244,18.442 ; U2.L16@46.355,19.05 v1(46.99,18.415)
  Solder Side w0.152: v5(9.793,15.098) 9.793,15.295 11.706,17.208 14.922,17.208 16.612,18.898 46.507,18.898 v1(46.99,18.415)
USB_2P0_P: U2.L15 U14.4 | length 44.3
  Component Side w0.152: v5(9.38,15.511) 9.577,15.511 11.842,17.775 11.842,17.981 11.744,18.079 U14.4@11.744,18.442 ; U2.L15@46.355,20.32 v1(46.99,19.685)
  Solder Side w0.152: v5(9.38,15.511) 9.577,15.511 11.49,17.424 11.58,17.513 14.796,17.513 16.338,19.055 16.485,19.202 46.507,19.202 v1(46.99,19.685)
USB_3V3: C96.2 C101.2 C125.2 J4.2 J7.2 LED14.1 R42.1 R43.1 R54.2 R58.1 R59.1 R138.1 R139.1 R147.1 R150.1 R155.2 R157.1 R158.1 U11.8 U14.42 U14.51 U30.10 | length 52.7
  Component Side w0.152: R58.1@-27.432,8.612 v1(-27.432,9.517) ; R59.1@-24.892,8.625 v1(-24.892,9.53) ; R138.1@-20.955,7.985 v1(-20.955,8.985) ; R43.1@-17.13,3.437 -16.51,3.437 -16.248,3.175 U11.8@-14.975,3.175 U11.8@-14.973,3.175 ; C96.2@-14.975,1.651 C96.2@-14.973,1.649 ; v1(-13.959,1.649) R42.1@-12.954,1.649 ; R139.1@-0.91,18.669 v1(0,18.669) R54.2@0.778,18.669 ; R150.1@8.255,27.797 9.289,27.797 v1(9.644,27.442) ; LED14.1@17.653,1.567 18.637,1.567 20.193,3.123 R157.1@20.193,10.957 R158.1@20.193,12.227 19.158,12.227 18.169,13.216 C125.2@18.169,13.627
  Component Side w0.203: U30.10@17.029,13.627 C125.2@18.169,13.627
  Component Side w0.254: C101.2@5.588,21.592 v1(6.994,21.592) U14.51@9.594,21.592 ; v1(9.644,27.442) 10.244,26.842 U14.42@10.244,26.242 ; C125.2@18.169,13.627 18.169,14.52 18.381,14.732 24.902,14.732 26.035,15.865 26.035,19.267 v1(22.86,22.442) R155.2@21.701,22.442
  Component Side w0.381: C96.2@-14.973,1.649 v1(-13.959,1.649) ; C96.2@-14.973,1.653 U11.8@-14.973,3.175 ; R147.1@4.445,26.405 v1(4.445,27.178)
USB_FLT_N: R172.2 U30.9 | length 9.5
  Component Side w0.152: U30.9@17.029,13.227 17.526,13.227 18.804,11.949 18.804,6.352 R172.2@17.659,5.207
USB_OTG_ID: R136.1 R137.2 U2.L14 | length 59.4
  Component Side w0.152: R137.2@6.722,31.071 v1(7.492,31.071) R136.1@8.397,31.071 ; v1(23.495,27.94) 23.495,22.521 27.305,18.711 v1(27.305,17.775) ; U2.L14@46.355,21.59 47.003,20.942 47.829,20.942 48.26,20.511 48.26,18.415 46.99,17.145 v1(46.99,15.875)
  Solder Side w0.152: v1(7.492,31.071) 7.917,31.496 17.399,31.496 21.336,27.559 23.114,27.559 v1(23.495,27.94) ; v1(27.305,17.775) 37.46,17.775 37.465,17.78 39.37,15.875 v1(46.99,15.875)
USB_RST_IN: R154.1 U14.24 | length 3.3
  Component Side w0.152: U14.24@17.394,23.592 R154.1@20.744,23.592
USB_RST_OUT_N: U14.21
USB_V5P0: C90.2 U14.14 U14.27 U14.28 | length 2.8
  Component Side w0.254: U14.14@16.744,18.442 17.244,18.442 v1(17.744,17.942) ; U14.27@17.394,25.092 v1@18.194,25.092 ; U14.28@17.394,25.592 18.194,25.592
  other v1: 18.415,25.042 18.415,25.781
USBC_DBG0: U14.23
USBC_DBG1: U14.20
V1P8: C14.2 C29.2 C42.2 C57.2 C71.2 C72.2 C85.2 C87.2 C113.2 C115.2 J16.2 J17.2 R74.1 R79.1 R80.1 R81.1 R82.1 R83.1 R84.1 R85.1 U6.38 U7.4 U12.2 U15.21 U18.1 U18.5 U19.1 U19.5 | length 237.9
  Component Side w0.152: J16.2@-79.775,73.025 J16.2@-79.75,73 ; R74.1@-52.705,79.65 v1(-52.705,80.555) ; R83.1@-12.335,73.025 -10.162,73.025 -3.175,80.012 -3.175,83.596 -3.399,83.82 v1(-4.445,83.82) ; R84.1@-12.335,74.296 -10.16,74.295 -4.445,80.01 v1(-4.445,83.82) ; R82.1@-12.335,75.565 -10.16,75.565 -5.715,80.01 -5.715,83.82 ; R81.1@-12.335,76.835 -10.16,76.835 -6.985,80.01 -6.985,83.82 ; R80.1@-12.335,78.105 -10.668,78.105 -8.255,80.518 -8.255,83.82 ; R79.1@-12.335,79.375 -10.795,79.375 -9.525,80.645 -9.525,83.82 ; R85.1@-12.335,80.645 -11.43,80.645 -10.795,81.28 -10.795,83.439 -10.414,83.82 -9.525,83.82 ; C87.2@59.715,73 J17.2@64.25,73 ; -9.525,83.82 -8.255,83.82 ; -8.255,83.82 -6.985,83.82 ; -6.985,83.82 -5.715,83.82 ; -5.715,83.82 v1(-4.445,83.82)
  Component Side w0.203: v1(-58.674,6.35) -58.424,6.1 C71.2@-58.424,5.352 -57.853,5.352 -57.656,5.548 C72.2@-57.082,5.548 -56.477,6.154 U15.21@-53.54,6.154
  Component Side w0.305: v1(-83.185,73.93) C85.2@-83.185,73.025 J16.2@-79.775,73.025 ; v1(-34.163,79.375) -32.305,79.375 -27.866,83.814 v1(-18.413,83.814) ; v1(-0.635,83.82) 0.585,83.82 1.22,84.455 8.84,84.455 16.46,76.835 v1(30.48,76.835) ; v1(49.26,59.944) C115.2@50.162,59.944 ; C115.2@50.165,59.944 C115.2@50.162,59.944 ; U18.5@51.112,64.135 51.112,63.307 50.162,62.357 U18.1@50.162,61.535 C115.2@50.162,59.944 ; v1(53.705,59.944) C113.2@54.61,59.944 U19.1@54.61,61.535 54.61,62.357 55.56,63.307 U19.5@55.56,64.135 ; v1(60.96,71.12) v1(60.96,72.975)
  Component Side w0.381: U7.4@-49.53,78.595 C42.2@-49.53,79.92 v1(-49.53,80.809)
  Solder Side w0.305: v1(-18.413,83.814) -13.331,83.814 -12.136,82.619 -4.445,82.619 ; v1(-4.445,83.82) -4.445,82.619 ; v1(-0.635,83.82) -2.28,83.82 -3.481,82.619 -4.445,82.619 ; v1(30.48,76.835) 33.654,76.835 36.829,73.66 44.45,73.66 45.085,74.295 59.64,74.295 v1(60.96,72.975) ; v1(49.26,59.944) 50.276,60.96 52.689,60.96 v1(53.705,59.944) 54.875,59.944 57.796,62.865 60.706,62.865 62.23,64.389 62.23,69.85 v1(60.96,71.12)
  other v1: -36.581,9.44 -35.306,9.44 -37.219,10.078 -35.944,10.078 -34.668,10.078 -48.26,73.316 -48.26,74.465
V3P3: C8.2 C9.2 C10.2 C11.2 C12.2 C13.2 C73.2 C76.2 C77.2 C78.2 C91.2 C102.2 C105.2 C112.2 C114.2 J11.1 J13.5 J20.3 J21.3 J22.3 J23.3 J25.1 J25.3 L8.2 L9.2 LED1.1 LED3.1 LED4.1 LED7.1 R44.2 R49.1 R50.1 R56.1 R57.1 R68.1 R69.1 R95.1 R96.1 R104.1 R130.1 R140.1 R165.1 R171.1 R181.1 R182.1 U5.4 U5.12 U5.18 U6.46 U6.47 U14.53 U15.16 U15.28 U17.5 U18.6 U19.6 | length 54.9
  Component Side w0.152: R50.1@-57.785,60.325 v1(-57.785,61.23) ; R49.1@-56.515,60.317 v1(-56.515,61.222) ; R68.1@-55.245,60.325 v1(-55.245,61.23) ; v1(-23.495,74.549) R44.2@-22.75,74.549 ; LED1.1@8.757,1.567 8.927,1.397 v1(9.525,1.397) ; v1(13.208,0.592) LED4.1@13.208,1.397 ; v1(51.085,4.702) R140.1@51.085,5.604 ; R171.1@63.865,38.777 v1(64.77,38.777) ; v1(73.679,27.305) R181.1@74.565,27.305 ; R182.1@82.264,20.955 v1(83.15,20.955)
  Component Side w0.203: C8.2@-59.671,52.07 U5.4@-57.22,52.07 ; C9.2@-54.864,47.625 -54.845,47.644 U5.12@-54.845,50.095 ; v1(-53.975,12.319) C73.2@-53.975,11.401 C78.2@-53.975,10.16 -53.975,9.525 -53.721,9.271 -53.258,9.271 -52.84,8.853 U15.16@-52.84,8.454 ; U5.18@-53.27,52.07 C10.2@-50.819,52.07 ; v1(-52.713,13.335) R57.1@-51.44,13.335 ; C77.2@-52.29,1.397 -52.29,2.209 -51.94,2.559 -51.94,3.061 -51.64,3.361 U15.28@-51.64,4.254 ; v1(-50.17,46.99) R69.1@-50.17,47.895 ; R56.1@-47.895,13.335 v1(-46.355,13.335) ; v1(-39.997,50.165) R104.1@-39.997,51.07 ; C102.2@6.604,19.558 6.604,20.088 7.108,20.592 v1(7.493,20.592) U14.53@9.594,20.592 ; LED7.1@56.515,86.19 v1(56.515,86.995) ; LED3.1@59.055,86.19 v1(59.055,86.995)
  Component Side w0.305: v1(-60.96,3.175) R130.1@-60.96,4.08 ; R165.1@30.522,2.403 31.748,2.403 32.253,2.908 32.253,5.858 ; v1(49.26,66.04) C112.2@50.165,66.04 U18.6@50.165,64.449 ; v1(53.705,66.04) C114.2@54.61,66.04 U19.6@54.61,64.449
  Component Side w0.381: v1(-53.34,1.397) C77.2@-52.29,1.397 ; L8.2@-14.05,63.5 v1(-12.954,63.5) ; v1(-2.032,73.279) -1.764,73.279 -1.272,72.787 J11.1@-1.272,72.175 ; v1(39.37,74.295) R96.1@39.37,75.2 ; v1(41.275,74.295) R95.1@41.275,75.2 ; C91.2@74.954,31.115 v1(75.963,31.115) 76.464,31.113 76.961,31.605 76.964,32.105 77.246,32.384 77.745,32.382 J13.5@78.92,32.376
  other v1: -54.864,49.149 -58.801,52.07 -51.562,52.07 -50.263,68.561 -52.713,68.58 -51.498,68.58 -49.636,69.168 -53.34,69.188 -50.871,69.188 -52.105,69.207
  other v3: 30.448,7.656 31.896,7.656 30.448,9.885 31.896,9.885